# Altium PCB 2-quilter-output.PcbDoc (part 21 of 26) (continued)
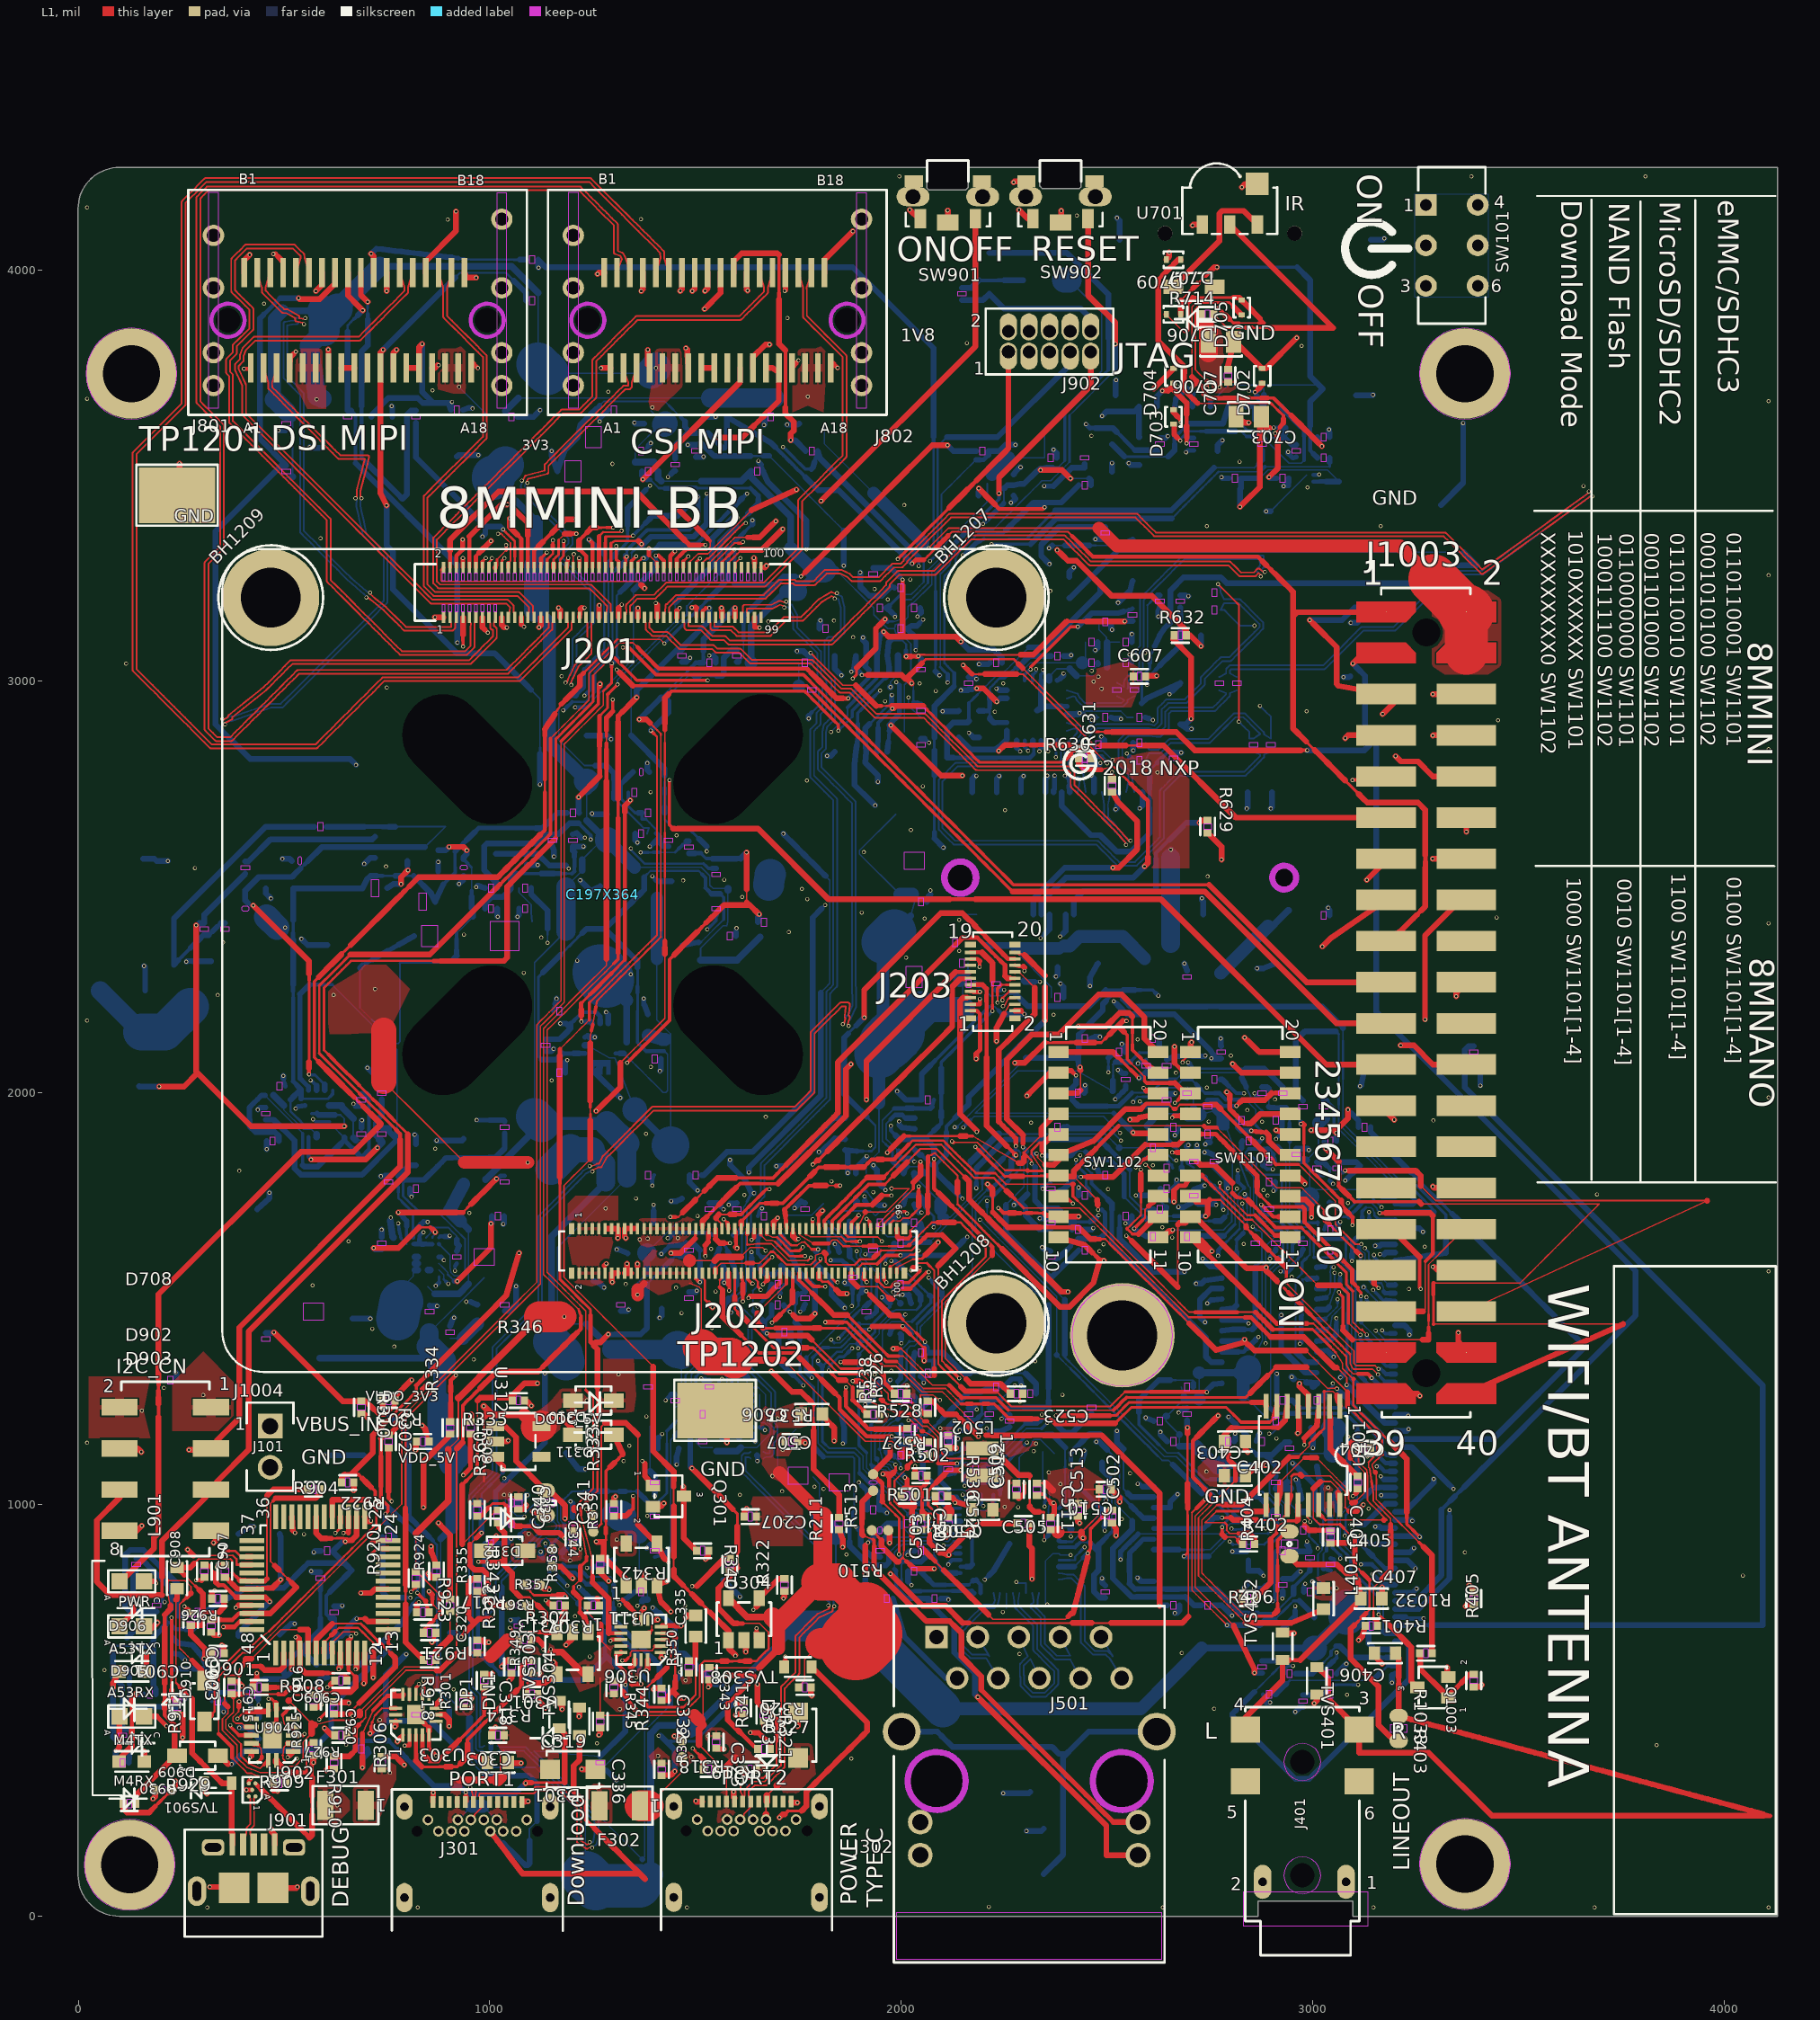
[diagram p0: L1 view]
## Nets (pads, with @x,y where several pads share a name; then routed paths per layer and width w, separated by ;. In a path a pad name is that pad's centre, name@x,y a point inside that pad or via, vN(x,y) a via of type N, cw(c..) or ccw(c..) an arc to the next point about the centre after c; other vN are vias at no path point) (continued)
  L1 w7.92: v1(1403.75,3305.52) 1410.46,3305.52
  L1 w8.94: v1(839.27,571.33) 839.27,570.95 v1@840.39,569.83
  L1 w9.96: 1410.46,3305.52 1416.86,3299.13 1423.25,3292.74 1423.25,3284.58 J201.70@1423.24,3276.42
  L6 w6.9: 1029.56,1305.76 1029.56,1321.11 1029.56,1336.47 ; 1039.85,1669.13 1050.14,1679.42
  L6 w7.92: 830.24,580.36 v1(839.27,571.33) ; 1029.56,1336.47 1029.56,1351.82 ; 1029.56,1658.85 1039.85,1669.13 ; 1050.14,1679.42 1060.42,1689.71 1070.71,1699.99 1081,1710.28 1091.28,1720.57 1101.57,1730.85 1111.86,1741.14 1111.86,1756.89 ; 1111.86,2371.2 1111.86,2386.95
  L6 w8.94: 855.22,1039.31 866.12,1050.21 877.02,1061.11 ; 1018.67,1202.76 1029.56,1213.65 1029.56,1229.01 1029.56,1244.36 1029.56,1259.71 1029.56,1275.06 1029.56,1290.41 1029.56,1305.76 ; 1029.56,1351.82 1029.56,1367.17 1029.56,1382.52 1029.56,1397.87 1029.56,1413.22 1029.56,1428.57 1029.56,1443.93 1029.56,1459.28 1029.56,1474.63 1029.56,1489.98 1029.56,1505.33 1029.56,1520.68 1029.56,1536.03 1029.56,1551.39 1029.56,1566.74 1029.56,1582.09 1029.56,1597.44 1029.56,1612.79 1029.56,1628.14 1029.56,1643.49 1029.56,1658.85 ; 1111.86,1977.41 1111.86,1993.16 1111.86,2008.91 1111.86,2024.67 1111.86,2040.42 1111.86,2056.17 1111.86,2071.92 1111.86,2087.67 1111.86,2103.42 1111.86,2119.18 1111.86,2134.93 1111.86,2150.68 1111.86,2166.43 1111.86,2182.18 1111.86,2197.93 1111.86,2213.68 1111.86,2229.44 1111.86,2245.19 1111.86,2260.94 1111.86,2276.69 1111.86,2292.44 1111.86,2308.19 1111.86,2323.95
  L6 w9.96: 1111.86,2355.45 1111.86,2371.2
  L6 w14.05: 830.24,580.36 830.24,647.6 787.89,689.95 787.89,747.37 788.87,748.34 788.87,860.65 789.85,861.63 789.85,973.94 800.74,984.83 811.64,995.73 822.53,1006.63 833.43,1017.52 844.33,1028.42 855.22,1039.31 ; 877.02,1061.11 887.91,1072 898.81,1082.9 909.7,1093.8 920.6,1104.69 931.5,1115.59 942.39,1126.48 953.29,1137.38 964.19,1148.28 975.08,1159.17 985.98,1170.07 996.87,1180.97 1007.77,1191.86 1018.67,1202.76 ; 1111.86,1756.89 1111.86,1772.64 1111.86,1788.39 1111.86,1804.15 1111.86,1819.9 1111.86,1835.65 1111.86,1851.4 1111.86,1867.15 1111.86,1882.9 1111.86,1898.65 1111.86,1914.41 1111.86,1930.16 1111.86,1945.91 1111.86,1961.66 1111.86,1977.41 ; 1111.86,2323.95 1111.86,2339.7 1111.86,2355.45 ; 1111.86,2386.95 1138.79,2413.89 1138.79,2948.03 1112.87,2973.94 1112.87,3031.63 ; 1112.89,3031.63 v1(1207.82,2936.71)
  L8 w3.5: 1232.7,2936.71 1243.27,2947.28 1253.85,2957.86 1264.43,2968.43 1275,2979.01 1285.58,2989.58 1296.15,3000.16 1306.73,3010.74 1317.3,3021.31 1327.88,3031.89 1327.88,3033.65 1338.63,3044.4 1349.37,3055.15 1349.37,3070.28 1349.37,3085.41 1349.37,3100.54 1349.37,3115.68 1349.37,3130.81 1349.37,3145.94 1349.37,3161.08 1349.37,3176.21 1349.37,3191.34 1349.37,3206.47 1349.37,3221.61
  L8 w9.96: v1(1207.82,2936.71) 1220.26,2936.71 1232.7,2936.71 ; 1403.75,3290.75 v1(1403.75,3305.52)
  L8 w14.05: 1349.37,3221.61 1403.75,3275.98 1403.75,3290.75
TCPC_NINT2: R216.1 R219.1 U306.10 | length 3127.7
  L1 w3.5: 1170.57,2105.69 1180.77,2115.89 1190.97,2126.09 1201.17,2136.29 1211.37,2146.49 1221.57,2156.69 1231.77,2166.89 1241.97,2177.09 ; 1221.81,973.37 1224.61,962.51 1227.4,951.66 1230.19,940.81 1234.11,925.59 1238.02,910.37 1241.94,895.16 1245.85,879.94 1249.77,864.72
  L1 w3.83: 1406.57,2383.27 1406.57,2397.95 1406.57,2412.64 1406.57,2427.32 1406.57,2442.01 1406.57,2456.69 1406.57,2471.38 1406.57,2486.06 1406.57,2500.75 1406.57,2515.43 1406.57,2530.12
  L1 w4.85: 1221.81,991.65 1231.84,1001.68 ; 1241.97,2218.67 1252.94,2229.64 1263.91,2240.62 1274.89,2251.59 1285.86,2262.56 1296.83,2273.53 1307.81,2284.51 1318.78,2295.48 1329.75,2306.45 1340.73,2317.43 1351.7,2328.4 1362.67,2339.37 1373.65,2350.35 1384.62,2361.32 1395.59,2372.29 1406.57,2383.27 ; 1251.89,1021.73 1261.92,1031.76 1261.92,1047.44 1261.92,1063.12 1261.92,1078.8 1261.92,1094.48 1261.92,1110.16 1261.92,1125.84 1261.92,1141.52 1261.92,1157.2 1261.92,1172.88 1261.92,1188.56 1261.92,1204.24 ; 1261.92,1251.29 1261.92,1266.97 ; 1399.08,2873 1406.58,2865.51 1406.58,2850.26 1406.58,2835.02 1406.58,2819.77 1406.58,2804.53 1406.58,2789.29 1406.58,2774.04 1406.58,2758.8 1406.58,2743.55 1406.58,2728.31 1406.58,2713.07 1406.58,2697.82 1406.58,2682.58 1406.58,2667.33 1406.58,2652.09 1406.58,2636.85 1406.58,2621.6 1406.58,2606.36 1406.58,2591.12 1406.58,2575.87 1406.58,2560.63 1406.58,2545.38 1406.58,2530.14
  L1 w5.87: 1261.92,1204.24 1261.92,1219.92 1261.92,1235.61 1261.92,1251.29
  L1 w6.9: 1170.57,1780 1170.57,1764.49 1170.57,1748.99 1170.57,1733.48 1170.57,1717.97 1170.57,1702.46 1170.57,1686.95 1170.57,1671.44 1170.57,1655.93 1170.57,1640.42 1170.57,1624.91 1170.57,1609.4 1170.57,1593.9 1170.57,1578.39 1170.57,1562.88 1170.57,1547.37 1181.22,1536.72 1191.87,1526.07 1202.52,1515.43 1213.16,1504.78 1223.81,1494.13 1234.46,1483.48 1245.11,1472.84 1245.11,1459.62 ; 1221.81,973.37 1221.81,974.87
  L1 w7.92: 1221.81,974.87 1221.81,983.26 1221.81,991.65 ; 1231.84,1001.68 1241.86,1011.7 1251.89,1021.73 ; 1241.97,2177.09 1241.97,2190.95 1241.97,2204.81 1241.97,2218.67 ; 1249.77,837.48 1249.77,851.1 ; v1(1391.59,2880.49) 1399.08,2873
  L1 w8.94: 1170.57,1780 1170.57,1795.51 ; 1249.77,823.87 1249.77,837.48 ; 1249.77,851.1 1249.77,864.72
  L1 w9.96: 1245.11,1459.62 1245.11,1446.41 1245.11,1433.19 1245.11,1419.97 1245.11,1406.76 1245.11,1393.54 ; 1253.51,1385.14 1245.11,1393.54 ; 1257.16,1393.54 1245.11,1393.54 ; 1261.92,1266.97 1261.92,1282.65 ; 1289.26,686.91 1304.12,686.91 U306.10@1318.98,686.9
  L1 w10.99: 1170.57,2090.18 1170.57,2105.69
  L1 w12.01: 1249.77,810.25 1249.77,823.87
  L1 w14.05: 1170.57,1795.51 1170.57,1811.02 1170.57,1826.53 1170.57,1842.04 1170.57,1857.55 1170.57,1873.06 1170.57,1888.57 1170.57,1904.07 1170.57,1919.58 1170.57,1935.09 1170.57,1950.6 1170.57,1966.11 1170.57,1981.62 1170.57,1997.13 1170.57,2012.64 1170.57,2028.15 1170.57,2043.66 1170.57,2059.16 1170.57,2074.67 1170.57,2090.18 ; 1249.77,810.25 1289.26,770.76 1289.26,686.91 ; 1253.51,1385.14 1261.92,1376.73 1261.92,1361.05 1261.92,1345.37 1261.92,1329.69 1261.92,1314.01 1261.92,1298.33 1261.92,1282.65 ; 1257.16,1393.54 1269.21,1393.54 v1(1288.5,1412.83)
  L8 w3.83: 1434.85,2951.74 1434.85,2965.74 1444.45,2975.34 1454.05,2984.94 1463.65,2994.54 1473.25,3004.14 1482.85,3013.74 1496.58,3013.74 ; 1524.05,3013.74 1537.78,3013.74
  L8 w4.85: 1382.6,1534.96 1392.28,1544.64 1401.95,1554.32
  L8 w5.87: 1440.66,1593.02 1450.33,1602.7 1461.65,1602.7 ; 1510.31,3013.74 1524.05,3013.74
  L8 w6.9: 1401.95,1554.32 1411.63,1563.99
  L8 w7.92: 1537.78,3013.74 1551.51,3013.74
  L8 w13.03: v1(1288.5,1412.83) 1304.18,1412.83
  L8 w14.05: 1304.18,1412.83 1319.86,1412.83 1335.55,1412.83 1351.23,1412.83 1366.91,1412.83 1382.6,1428.51 1382.6,1534.96 ; v1(1391.59,2880.49) 1403.29,2892.19 1434.85,2923.75 1434.85,2937.75 1434.85,2951.74 ; 1411.63,1563.99 1421.31,1573.67 1430.98,1583.34 1440.66,1593.02 ; 1461.65,1602.7 1472.97,1602.7 R219.1@1484.31,1602.68 ; 1496.58,3013.74 1510.31,3013.74 ; 1551.51,3013.74 1565.24,3013.74 1569.28,3017.77 1569.28,3057.53 1588.29,3076.54 R216.1@1600.43,3076.54
TEST_MODE: J201.56 R1110.1 SW1101.4 | length 2439.1
  L1 w7.92: v1(1307.51,3328.54) 1307.51,3320.39 1307.51,3312.24 1307.51,3304.13 1307.51,3296.02 1313.01,3290.52
  L1 w9.96: J201.56@1313,3276.42 1313.01,3290.52 ; v1(2659.06,1939.26) 2663.58,1943.78
  L1 w12.01: 2663.58,1943.78 2678.62,1943.78
  L1 w14.05: 2678.62,1943.78 SW1101.4@2703.63,1948.79
  L3 w3.5: 1621.32,2979.68 1636.97,2979.68 1652.62,2979.68 1668.27,2979.68 1683.92,2979.68 1699.58,2979.68 1715.23,2979.68 1730.88,2979.68 1746.53,2979.68 1762.18,2979.68 1773.21,2968.64 1784.25,2957.6 1795.29,2946.57 1806.32,2935.53 1817.36,2924.5 1828.4,2913.46 1839.43,2902.42 1850.47,2891.39 1861.5,2880.35 1872.54,2869.32 1883.58,2858.28 1894.61,2847.24 1905.65,2836.21 1916.68,2825.17 1927.72,2814.14 1938.76,2803.1 1949.79,2792.06 1960.83,2781.03 1971.86,2769.99 1982.9,2758.96 1993.94,2747.92 2004.97,2736.88 2016.01,2725.85 2027.05,2714.81 2038.08,2703.77 2049.12,2692.74 2060.15,2681.7 2071.19,2670.67 2082.23,2659.63 2093.26,2648.59 2104.3,2637.56 2115.33,2626.52 2126.37,2615.49 2137.41,2604.45 2148.44,2593.41
  L3 w6.9: 1307.51,3180.53 1307.51,3195.34 ; 2148.44,2593.41 2163.18,2593.41 2177.91,2593.41
  L3 w7.92: 1307.51,3313.74 v1(1307.51,3328.54)
  L3 w8.94: 2177.91,2593.41 2192.64,2593.41 2203.47,2582.59 ; 2387.48,2398.58 2398.3,2387.75 2409.13,2376.93
  L3 w9.96: 1307.51,3165.73 1307.51,3180.53 ; 1605.67,2979.68 1621.32,2979.68 ; 2203.47,2582.59 2214.29,2571.76 2225.11,2560.94 2235.94,2550.12 2246.76,2539.29 2257.59,2528.47 2268.41,2517.64 2279.24,2506.82 2290.06,2495.99 2300.88,2485.17 2311.71,2474.35 2322.53,2463.52 2333.36,2452.7 2344.18,2441.87 2355.01,2431.05 2365.83,2420.22 2376.65,2409.4 2387.48,2398.58 ; 2409.13,2376.93 2419.95,2366.1 2430.78,2355.28 2441.6,2344.45 2452.43,2333.63 2463.25,2322.81 2474.07,2311.98 2484.9,2301.16 2495.72,2290.33 2506.55,2279.51 2517.37,2268.68 2517.37,2253.28
  L3 w13.03: 1307.51,3195.34 1307.51,3210.14
  L3 w14.05: 1307.51,3165.73 1307.51,3150.93 1307.51,3136.13 1463.96,2979.68 1464.81,2979.68 1480.46,2979.68 1496.11,2979.68 1511.76,2979.68 1527.41,2979.68 1543.07,2979.68 1558.72,2979.68 1574.37,2979.68 1590.02,2979.68 1605.67,2979.68 ; 1307.51,3210.14 1307.51,3224.94 1307.51,3239.74 1307.51,3254.54 1307.51,3269.34 1307.51,3284.14 1307.51,3298.94 1307.51,3313.74 ; v1(2517.37,2222.45) 2517.37,2237.87 2517.37,2253.28
  L6 w7.92: 2724.89,2013.6 2735.87,2024.57 2745,2033.71
  L6 w9.96: 2670.03,1958.74 2681.01,1969.71
  L6 w13.03: 2681.01,1969.71 2691.98,1980.68 ; 2754.14,2070.17 v1(2754.14,2083.83)
  L6 w14.05: v1(2659.06,1939.26) 2659.75,1939.95 2659.75,1948.45 2670.03,1958.74 ; 2691.98,1980.68 2702.95,1991.66 2713.92,2002.63 2724.89,2013.6 ; 2745,2033.71 2754.14,2042.85 2754.14,2056.51 2754.14,2070.17
  L8 w9.96: v1(2517.37,2222.45) 2523.01,2216.82 ; v1(2754.14,2083.83) v1@2755.56,2082.4
  L8 w13.03: 2752.08,2103.21 2757.9,2093.66
  L8 w14.05: 2523.01,2216.82 2528.64,2211.19 2548.96,2190.87 2664.42,2190.87 2752.08,2103.21 ; v1@2755.56,2082.4 2774.42,2082.4 R1110.1@2778.21,2084.13 2763.71,2084.11 2757.9,2093.66
UART2_RXD: J201.36 R910.2 | length 3613.5
  L1 w3.5: 698.75,481.43 698.75,490.1 698.75,498.76 709.59,509.6 720.42,520.44 731.26,531.27 742.1,542.11 752.93,552.95 763.77,563.78 774.61,574.62 785.45,585.46 796.28,596.29 ; 919.52,636.96 919.52,645.01 919.52,660.32 919.52,675.64 919.52,690.95 919.52,706.27 919.52,721.59 919.52,736.9 919.52,752.22 919.52,767.53 919.52,782.85 919.52,798.17 919.52,813.48 919.52,828.8 919.52,844.11 919.52,859.43 919.52,874.75 919.52,890.06 919.52,905.38 919.52,920.69 919.52,936.01 919.52,951.33 919.52,966.64 919.52,981.96 919.52,997.27 919.52,1012.59 919.52,1027.91 919.52,1043.22 919.52,1058.54 919.52,1073.85 919.52,1089.17 919.52,1104.49 919.52,1119.8 919.52,1135.12 ; 1131.6,2156.47 1131.09,2155.96 1131.09,2140.45 1131.09,2124.94 1131.09,2109.43 1131.09,2093.92 1131.09,2078.41 1131.09,2062.9 1131.09,2047.39 1131.09,2039.64 1131.08,2027.87 1131.08,2016.11 1131.08,2000.33 1131.08,1984.56 1131.08,1968.78 1131.08,1953.01 1131.08,1937.24 1131.08,1921.46 1131.08,1905.69 1131.08,1889.91 1131.08,1874.14 1131.08,1858.36 1131.08,1842.59 1131.08,1826.81 1131.08,1811.04 1131.08,1795.27 1131.08,1779.49 1131.08,1763.72 1131.08,1747.94 1131.08,1732.17 1131.08,1716.39 1131.08,1700.62 1131.08,1684.85 1131.08,1669.07 1131.08,1653.3 1131.08,1637.52 1131.08,1621.75 1131.08,1605.97 1131.08,1590.2 1131.08,1574.42 1131.08,1558.65 1141.05,1548.69 1151.01,1538.72 1160.98,1528.76 1170.94,1518.79 1180.9,1508.83 1190.87,1498.87 1200.83,1488.9 1210.8,1478.94 1215.91,1473.83 ; 1167.42,3343.66 1174.93,3351.17 1182.45,3358.68
  L1 w3.83: 690.2,472.88 698.75,481.43 ; 796.28,596.29 811.26,596.29 826.23,596.29 841.21,596.29 856.18,596.29 871.16,596.29 ; 1131.6,2156.47 1131.6,2157.08 1142.48,2167.96 1153.35,2178.83 1164.23,2189.71 1175.1,2200.58 1185.98,2211.46 1196.85,2222.33 1207.73,2233.21 1218.6,2244.08 1229.48,2254.96 1240.35,2265.83 1251.23,2276.71 1262.1,2287.58 1272.98,2298.46 1283.85,2309.34 1283.85,2324.78 ; 1283.85,2849.84 1283.85,2865.28
  L1 w5.87: 681.66,464.34 690.2,472.88 ; J201.36@1155.53,3286.32 1155.53,3296.22 1161.48,3302.16 1167.42,3308.11 1167.42,3319.96 1167.42,3331.81 1167.42,3343.66 ; 1215.91,1473.83 1218.84,1465.37 1221.77,1456.9
  L1 w6.9: 1283.85,2865.28 1283.85,2880.73
  L1 w7.92: 1299.42,2927.18 1299.42,2940.58 v1(1299.42,2955.58)
  L1 w8.94: 934.57,1150.17 934.57,1165.15 934.57,1180.12 934.57,1195.1 934.57,1210.08 934.57,1225.06 934.57,1240.04 945.03,1250.5 955.49,1260.96 965.95,1271.42 976.41,1281.88 ; 1221.77,1452.9 1221.77,1456.9 ; 1283.85,2757.18 1283.85,2772.63 1283.85,2788.07
  L1 w9.96: 1118.76,1323.56 1129.06,1333.86 ; 1211.47,1416.27 1221.77,1426.57 1221.77,1439.73 1221.77,1452.9 ; 1283.85,2834.4 1283.85,2849.84
  L1 w10.99: 1197,3358.68 v1(1210.95,3358.68)
  L1 w12.01: 665.84,394.36 673.11,401.64 673.11,415.18 673.11,428.72 673.11,442.26 673.11,455.79 681.66,464.34 ; 1283.85,2788.07 1283.85,2803.51 1283.85,2818.96 1283.85,2834.4 ; 1283.85,2880.73 1283.85,2896.17 1283.85,2911.61 1291.64,2919.4 1299.42,2927.18
  L1 w13.03: 1117.47,1322.27 1118.76,1323.56 ; 1129.06,1333.86 1139.36,1344.16 ; J201.36@1155.52,3276.42 J201.36@1155.53,3286.32
  L1 w14.05: R910.2@621.7,387.09 658.56,387.09 665.84,394.36 ; 871.16,596.29 878.86,596.29 919.52,636.96 ; 919.52,1135.12 934.57,1150.17 ; 976.41,1281.88 986.87,1292.34 997.33,1302.8 1016.8,1322.27 1117.47,1322.27 ; 1139.36,1344.16 1149.66,1354.46 1159.96,1364.76 1170.27,1375.06 1180.57,1385.36 1190.87,1395.66 1201.17,1405.96 1211.47,1416.27 ; 1182.45,3358.68 1197,3358.68 ; 1283.85,2324.78 1283.85,2340.22 1283.85,2355.66 1283.85,2371.11 1283.85,2386.55 1283.85,2401.99 1283.85,2417.44 1283.85,2432.88 1283.85,2448.32 1283.85,2463.77 1283.85,2479.21 1283.85,2494.65 1283.85,2510.09 1283.85,2525.54 1283.85,2540.98 1283.85,2556.42 1283.85,2571.87 1283.85,2587.31 1283.85,2602.75 1283.85,2618.2 1283.85,2633.64 1283.85,2649.08 1283.85,2664.53 1283.85,2679.97 1283.85,2695.41 1283.85,2710.85 1283.85,2726.3 1283.85,2741.74 1283.85,2757.18
  L3 w7.92: 1210.95,3344.03 v1(1210.95,3358.68)
  L3 w8.94: 1261.41,3021.63 1270.92,3012.13 1280.42,3002.62 1289.92,2993.12 1299.42,2983.62 1299.42,2969.6
  L3 w9.96: 1251.91,3046.27 1251.91,3031.13 1261.41,3021.63 ; 1251.91,3167.34 1251.91,3182.48 1251.91,3197.61
  L3 w14.05: 1210.95,3344.03 1251.91,3303.07 1251.91,3273.28 1251.91,3258.15 1251.91,3243.02 1251.91,3227.88 1251.91,3212.75 1251.91,3197.61 ; 1251.91,3046.27 1251.91,3061.4 1251.91,3076.54 1251.91,3091.67 1251.91,3106.8 1251.91,3121.94 1251.91,3137.07 1251.91,3152.21 1251.91,3167.34 ; v1(1299.42,2955.58) 1299.42,2969.6
UART2_TXD: J201.38 R911.2 | length 3331.7
  L1 w5.87: 226.59,562.77 226.59,577.42 ; J201.38@1171.28,3286.3 1171.28,3296.18 1179.71,3304.61 1179.71,3319.8
  L1 w6.9: 226.59,548.12 226.59,562.77 ; J201.38@1171.27,3276.42 J201.38@1171.28,3286.3
  L1 w7.92: 1179.71,3319.8 1179.71,3330.27 v1(1179.71,3340.74)
  L1 w8.94: 226.59,577.42 226.59,592.06 226.59,606.71 226.59,621.36 226.59,636 226.59,650.65 226.59,665.3 226.59,679.94 226.59,694.59 226.59,709.24 v1(226.59,724.4)
  L1 w13.03: 226.59,548.12 226.59,533.48 R911.2@233.37,526.69
  L1 w14.05: R911.2@233.37,526.69 R911.2@240.16,519.9
  L3 w7.92: v1(226.59,724.4) 226.59,738.83
  L3 w8.94: 411.61,2439.14 411.61,2454.84 411.61,2470.54
  L3 w9.96: 1138.27,3348.31 1147.5,3357.55 1162.9,3357.55 1171.3,3349.14
  L3 w10.99: 226.59,796.59 226.59,811.02 226.59,825.46 237.47,836.35 248.36,847.23 259.24,858.11 270.12,869 281.01,879.88 ; 313.66,912.53 324.54,923.42 ; 411.61,2235.04 411.61,2250.74 411.61,2266.44 411.61,2282.14 411.61,2297.84 411.61,2313.54 411.61,2329.24 411.61,2344.94 411.61,2360.64 411.61,2376.34
  L3 w12.01: 281.01,879.88 291.89,890.76
  L3 w13.03: 302.78,901.65 313.66,912.53 ; 411.61,2376.34 411.61,2392.04 ; 1129.03,3339.08 1138.27,3348.31
  L3 w14.05: 226.59,738.83 226.59,753.27 226.59,767.71 226.59,782.15 226.59,796.59 ; 291.89,890.76 302.78,901.65 ; 324.54,923.42 335.43,934.3 346.31,945.18 357.19,956.07 368.08,966.95 378.96,977.83 389.84,988.72 400.73,999.6 411.61,1010.49 411.61,1026.18 411.61,1041.88 411.61,1057.58 411.61,1073.28 411.61,1088.98 411.61,1104.68 411.61,1120.38 411.61,1136.08 411.61,1151.78 411.61,1167.48 411.61,1183.18 411.61,1198.88 411.61,1214.58 411.61,1230.28 411.61,1245.98 411.61,1261.68 411.61,1277.38 411.61,1293.08 411.61,1308.78 411.61,1324.47 411.61,1340.17 411.61,1355.87 411.61,1371.57 411.61,1387.27 411.61,1402.97 411.61,1418.67 411.61,1434.37 411.61,1450.07 411.61,1465.77 411.61,1481.47 411.61,1497.17 411.61,1512.87 411.61,1528.57 411.61,1544.27 411.61,1559.97 411.61,1575.67 411.61,1591.37 411.61,1607.07 411.61,1622.76 411.61,1638.46 411.61,1654.16 411.61,1669.86 411.61,1685.56 411.61,1701.26 411.61,1716.96 411.61,1732.66 411.61,1748.36 411.61,1764.06 411.61,1779.76 411.61,1795.46 411.61,1811.16 411.61,1826.86 411.61,1842.56 411.61,1858.26 411.61,1873.96 411.61,1889.66 411.61,1905.36 411.61,1921.05 411.61,1936.75 411.61,1952.45 411.61,1968.15 411.61,1983.85 411.61,1999.55 411.61,2015.25 411.61,2030.95 411.61,2046.65 411.61,2062.35 411.61,2078.05 411.61,2093.75 411.61,2109.45 411.61,2125.15 411.61,2140.85 411.61,2156.55 411.61,2172.25 411.61,2187.95 411.61,2203.65 411.61,2219.34 411.61,2235.04 ; 411.61,2392.04 411.61,2407.74 411.61,2423.44 411.61,2439.14 ; 411.61,2470.54 411.61,2486.24 411.61,2501.94 411.61,2517.63 411.61,2533.33 411.61,2549.03 411.61,2564.73 411.61,2580.43 411.61,2596.13 411.61,2615.86 1110.56,3314.82 1110.56,3320.61 1119.8,3329.85 1129.03,3339.08 ; 1171.3,3349.14 v1(1179.71,3340.74)
UART3_CTS: J201.10 J1003.7 | length 2605.7
  L1 w9.96: J201.10@950.8,3276.42 950.81,3291.57 950.81,3306.72 950.81,3321.88 950.81,3337.03 950.81,3352.18
  L1 w14.05: 950.81,3352.18 1028.04,3429.41 v1(1042.82,3429.41) ; v1(3079.38,2861.99) 3086.17,2868.78 J1003.7@3179.19,2868.79
  L6 w3.5: 1226.15,3456.21 1241.15,3456.21 1256.16,3456.21 1271.16,3456.21 1286.16,3456.21 1301.16,3456.21 1316.16,3456.21 1331.17,3456.21 1346.17,3456.21 1361.17,3456.21 1376.17,3456.21 1391.17,3456.21 ; 1391.18,3456.21 1405.89,3453.85 ; 1479.47,3442.08 1494.19,3439.72 1508.91,3437.37 1524.3,3437.37 1539.69,3437.37 1555.09,3437.37 1570.48,3437.37 1585.87,3437.37 1601.27,3437.37 1616.66,3437.37 1632.06,3437.37 1647.45,3437.37 1662.84,3437.37 1678.24,3437.37 1693.63,3437.37 1709.02,3437.37 1724.42,3437.37
  L6 w3.83: 1193.08,3460.42 1207.51,3460.42 1221.94,3460.42 1226.15,3456.21
  L6 w6.9: 1405.89,3453.85 1420.61,3451.5
  L6 w7.92: v1(1042.82,3429.41) v1@1046.62,3429.41 ; 1464.76,3444.43 1479.47,3442.08 ; 1739.25,3452.2 1754.57,3452.2 1769.89,3452.2 1785.21,3452.2 1800.53,3452.2 1815.85,3452.2 1831.17,3452.2 1846.49,3452.2 1861.81,3452.2 1877.13,3452.2 1892.45,3452.2 1907.77,3452.2 1923.09,3452.2 1938.41,3452.2 1953.73,3452.2 1969.05,3452.2 1984.37,3452.2 1999.69,3452.2 2015.01,3452.2 2030.33,3452.2 2045.64,3452.2 2060.96,3452.2 2076.28,3452.2 2091.6,3452.2 2106.92,3452.2 2122.24,3452.2 2137.56,3452.2 2152.88,3452.2
  L6 w8.94: 2152.88,3452.2 2162.22,3442.86 2171.56,3433.52 2180.9,3424.18 2190.24,3414.85 2199.57,3405.51 2208.91,3396.17 2224.2,3396.17 2239.48,3396.17 2254.77,3396.17 2270.05,3396.17 2285.34,3396.17 2300.62,3396.17 2315.91,3396.17 2331.2,3396.17 2346.48,3396.17 2361.77,3396.17 2377.05,3396.17 2392.34,3396.17 2407.62,3396.17 2422.91,3396.17 2438.19,3396.17 2453.48,3396.17 2468.77,3396.17 2484.05,3396.17 2499.34,3396.17 2514.62,3396.17 2529.91,3396.17 2545.19,3396.17 2556.32,3385.04
  L6 w10.99: 1178.65,3460.42 1193.08,3460.42
  L6 w12.01: 1420.61,3451.5 1435.32,3449.14 ; 1724.42,3437.37 1731.83,3444.78 1739.25,3452.2
  L6 w14.05: v1@1046.62,3429.41 1077.63,3460.42 1092.06,3460.42 1106.49,3460.42 1120.92,3460.42 1135.35,3460.42 1149.79,3460.42 1164.22,3460.42 1178.65,3460.42 ; 1435.32,3449.14 1450.04,3446.79 1464.76,3444.43 ; 2556.32,3385.04 2567.45,3373.91 2578.58,3362.78 2589.71,3351.66 2600.84,3340.53 2611.97,3329.4 2623.1,3318.27 2634.22,3307.14 2645.35,3296.01 2656.48,3284.88 2667.61,3273.75 2678.74,3262.63 2689.87,3251.5 2701,3240.37 2712.13,3229.24 2723.25,3218.11 2734.38,3206.98 2745.51,3195.85 2756.64,3184.72 2767.77,3173.6 2778.9,3162.47 2790.03,3151.34 2801.16,3140.21 2812.29,3129.08 2823.41,3117.95 2834.54,3106.82 2845.67,3095.69 2856.8,3084.57 2867.93,3073.44 2879.06,3062.31 2890.19,3051.18 2901.32,3040.05 2912.44,3028.92 2923.57,3017.79 2934.7,3006.66 2945.83,2995.53 2956.96,2984.41 2968.09,2973.28 2979.22,2962.15 2990.35,2951.02 3001.47,2939.89 3012.6,2928.76 3023.73,2917.63 3034.86,2906.5 3045.99,2895.38 3057.12,2884.25 3068.25,2873.12 v1(3079.38,2861.99)
UART3_RTS: J201.2 J1003.11 | length 2570.7
  L1 w3.5: 881.55,3270.16 881.55,3257.11 881.55,3244.38 882.87,3243.07 897.95,3243.07 913.35,3243.07 928.75,3243.07 944.14,3243.07 959.54,3243.07 974.94,3243.07 990.33,3243.07 1005.73,3243.07 1021.13,3243.07 1036.52,3243.07 1051.92,3243.07 1067.32,3243.07 1082.71,3243.07 1098.11,3243.07 1113.51,3243.07 1128.9,3243.07 1144.3,3243.07 1159.7,3243.07 1175.09,3243.07 1190.49,3243.07 1205.89,3243.07 1221.28,3243.07 1236.68,3243.07 1252.08,3243.07 1267.47,3243.07 1282.87,3243.07 1298.27,3243.07 1313.66,3243.07 1329.06,3243.07 1344.46,3243.07 1359.85,3243.07 1368.4,3234.52
  L1 w3.83: 2437.28,2876.62 2448.11,2865.8 ; 2458.93,2854.97 2469.75,2844.15
  L1 w4.85: 2172.87,3017.33 2188.33,3017.33 ; 2281.11,3017.33 2296.57,3017.33 2307.39,3006.51 2318.22,2995.68 2329.04,2984.86 2339.87,2974.03 2350.69,2963.21 2361.51,2952.39 2372.34,2941.56 2383.16,2930.74 2393.99,2919.91 2404.81,2909.09 2415.63,2898.27 2426.46,2887.44 2437.28,2876.62
  L1 w5.87: 881.55,3270.16 J201.2@887.8,3276.42 ; 2448.11,2865.8 2458.93,2854.97 ; 2469.75,2844.15 2485.07,2844.15 ; 2546.36,2844.15 2561.68,2844.15 2577,2844.15
  L1 w6.9: 2188.33,3017.33 2203.79,3017.33
  L1 w12.01: v1(2150.81,3039.39) 2161.84,3028.36 2172.87,3017.33
  L1 w14.05: 1368.4,3234.52 v1(1376.92,3226) ; 2203.79,3017.33 2219.26,3017.33 2234.72,3017.33 2250.18,3017.33 2265.64,3017.33 2281.11,3017.33 ; 2485.07,2844.15 2500.39,2844.15 2515.72,2844.15 2531.04,2844.15 2546.36,2844.15 ; 2577,2844.15 2592.32,2844.15 2607.64,2844.15 2622.96,2844.15 2638.28,2844.15 2813.65,2668.78 J1003.11@3179.19,2668.79
  L6 w3.83: 1838.3,3226 1853.68,3226
  L6 w5.87: 1853.68,3226 1869.06,3226 1879.13,3215.92 1889.21,3205.84 1899.29,3195.77 1909.37,3185.69 1919.44,3175.61 1929.52,3165.53 1939.6,3155.46 ; 1949.68,3145.38 1959.75,3135.3
  L6 w6.9: 1822.92,3226 1838.3,3226 ; 1939.6,3155.46 1949.68,3145.38
  L6 w10.99: 1959.75,3135.3 1972.67,3135.3
  L6 w13.03: 2041.13,3092.68 2051.78,3082.02 ; 2083.75,3050.05 2094.41,3039.39
  L6 w14.05: v1(1376.92,3226) 1392.3,3226 1407.68,3226 1423.06,3226 1438.44,3226 1453.82,3226 1469.2,3226 1484.58,3226 1499.96,3226 1515.34,3226 1530.71,3226 1546.09,3226 1561.47,3226 1576.85,3226 1592.23,3226 1607.61,3226 1622.99,3226 1638.37,3226 1653.75,3226 1669.13,3226 1684.51,3226 1699.89,3226 1715.26,3226 1730.64,3226 1746.02,3226 1761.4,3226 1776.78,3226 1792.16,3226 1807.54,3226 1822.92,3226 ; 1972.67,3135.3 1985.59,3135.3 1998.5,3135.3 2009.16,3124.64 2019.82,3113.99 2030.47,3103.33 2041.13,3092.68 ; 2051.78,3082.02 2062.44,3071.36 2073.1,3060.71 2083.75,3050.05 ; 2094.42,3039.39 v1(2150.81,3039.39)
UART3_RXD: J201.4 J1003.10 | length 2922.4
  L1 w8.94: 1511.49,3331.7 v1(1524.61,3331.7)
  L1 w9.96: J201.4@903.55,3276.42 903.56,3289.86 903.56,3303.3 903.56,3316.74
  L1 w12.01: 1474.45,3342.52 1485.27,3331.7 1498.38,3331.7 1511.49,3331.7
  L1 w14.05: 903.56,3316.74 903.56,3330.19 903.56,3343.63 1021.47,3461.54 1188.45,3461.54 1355.43,3461.54 1366.25,3450.72 1377.07,3439.9 1387.89,3429.08 1398.71,3418.26 1409.53,3407.44 1420.35,3396.62 1431.17,3385.8 1441.99,3374.98 1452.81,3364.16 1463.63,3353.34 1474.45,3342.52 ; v1(3202,2818.22) 3210.14,2810.08 3214.99,2805.23 3256.44,2805.23 3292.89,2768.78 J1003.10@3374.07,2768.79
  L6 w3.83: 1587.26,3331.7 1602.93,3331.7
  L6 w4.85: 1831.11,3293.34 1839.64,3284.8 1850.16,3274.29 1860.68,3263.77 1871.19,3253.25 1881.71,3242.74 1892.22,3232.22 1902.74,3221.7 1913.26,3211.19 1923.77,3200.67 1934.29,3190.16 1944.81,3179.64 1958.17,3179.64 ; 1984.9,3179.64 1998.27,3179.64
  L6 w6.9: 1958.17,3179.64 1971.54,3179.64 1984.9,3179.64
  L6 w7.92: v1(1524.61,3331.7) 1540.27,3331.7 ; 1602.93,3331.7 1610.63,3324 ; 1998.27,3179.64 2008.78,3169.12 2019.3,3158.61 2029.81,3148.09 2040.33,3137.58 2050.84,3127.06 2061.36,3116.55 2071.87,3106.03 2082.39,3095.52 2092.9,3085 2103.42,3074.49 2118.62,3074.49 ; 2164.21,3074.49 2179.41,3074.49 2194.61,3074.49 2209.81,3074.49
  L6 w8.94: 1571.6,3331.7 1587.26,3331.7 ; 2118.62,3074.49 2133.81,3074.49 2149.01,3074.49 2164.21,3074.49
  L6 w9.96: 1822.57,3301.88 1831.11,3293.34
  L6 w10.99: 2270.6,3074.49 2285.8,3074.49
  L6 w12.01: 1610.63,3324 1614.48,3320.15 ; 2209.81,3074.49 2225,3074.49 2240.2,3074.49 2255.4,3074.49 2270.6,3074.49 ; 2532.48,3063.54 2543.23,3074.29 2553.99,3085.05 ; 2564.74,3095.8 2575.5,3106.56
  L6 w14.05: 1540.27,3331.7 1555.94,3331.7 1571.6,3331.7 ; 1614.48,3320.15 1655.33,3320.15 1673.6,3301.88 1822.57,3301.88 ; 2285.8,3074.49 2287.49,3072.8 2321.97,3072.8 2347.23,3047.54 2516.48,3047.54 2521.72,3052.78 2532.48,3063.54 ; 2553.99,3085.05 2564.74,3095.8 ; 2575.5,3106.56 2736.28,3106.56 3024.61,2818.22 v1(3202,2818.22)
UART3_TXD: J201.6 J1003.8 | length 2762.9
  L1 w9.96: J201.6@919.3,3276.42 919.31,3290.86 919.31,3305.3 926.75,3312.74 934.18,3320.18
  L1 w12.01: 934.18,3320.18 934.18,3332.34 v1(934.18,3344.49)
  L1 w14.05: v1(3292.68,2867.78) 3293.68,2868.78 J1003.8@3374.07,2868.79
  L3 w3.5: 1565.31,3405.95 1574.63,3396.63 1583.94,3387.31 1593.26,3377.99 1602.58,3368.67 1611.91,3359.35 1627.48,3359.35 1643.04,3359.35 1658.61,3359.35 1674.18,3359.35 1689.75,3359.35 1705.31,3359.35 1720.88,3359.35 1736.45,3359.35 1752.01,3359.35 1767.58,3359.35 1783.15,3359.35 1798.71,3359.35 1814.28,3359.35 1829.85,3359.35 1845.42,3359.35 1860.98,3359.35 1876.55,3359.35 1892.12,3359.35 1907.68,3359.35 1923.25,3359.35 1938.82,3359.35 1954.38,3359.35 1969.95,3359.35 1985.52,3359.35 2001.08,3359.35 2016.65,3359.35 2032.22,3359.35 2047.79,3359.35 2063.35,3359.35 2078.92,3359.35 2094.49,3359.35 2110.05,3359.35 2125.62,3359.35 2141.19,3359.35 2156.75,3359.35 2172.32,3359.35 2187.89,3359.35 2203.46,3359.35 2219.02,3359.35 2234.59,3359.35 2250.16,3359.35 2265.72,3359.35 2281.29,3359.35 2296.86,3359.35 2312.42,3359.35 2327.99,3359.35 2343.56,3359.35 2359.12,3359.35 2374.69,3359.35 2390.26,3359.35 2405.83,3359.35 2421.39,3359.35 2436.96,3359.35 2452.53,3359.35 2468.09,3359.35 2483.66,3359.35 2499.23,3359.35 2514.79,3359.35 2530.36,3359.35 2545.93,3359.35 2561.5,3359.35 2577.06,3359.35 2592.63,3359.35 2608.2,3359.35 2623.76,3359.35 2639.33,3359.35 2654.9,3359.35 2670.46,3359.35
  L3 w5.87: 1202.8,3405.95 1218.56,3405.95 ; 1454.98,3405.95 1470.74,3405.95 1486.5,3405.95 1502.26,3405.95 1518.02,3405.95 1533.78,3405.95 1549.54,3405.95 1565.31,3405.95
  L3 w6.9: 1028.46,3382.11 1042.8,3382.11 ; 1439.22,3405.95 1454.98,3405.95
  L3 w7.92: 1014.12,3382.11 1028.46,3382.11 ; 1042.8,3382.11 1057.14,3382.11
  L3 w8.94: 1187.03,3405.95 1202.8,3405.95
  L3 w9.96: 1218.56,3405.95 1234.32,3405.95 1250.08,3405.95 1265.84,3405.95 1281.6,3405.95 1297.36,3405.95 1313.12,3405.95 1328.89,3405.95 1344.65,3405.95 1360.41,3405.95 1376.17,3405.95 1391.93,3405.95 1407.69,3405.95 1423.45,3405.95 1439.22,3405.95
  L3 w13.03: 1057.14,3382.11 1071.47,3382.11
  L3 w14.05: v1(934.18,3344.49) 947.83,3344.49 985.45,3382.11 999.79,3382.11 1014.12,3382.11 ; 1071.47,3382.11 1085.81,3382.11 1100.15,3382.11 1123.99,3405.95 1139.75,3405.95 1155.51,3405.95 1171.27,3405.95 1187.03,3405.95 ; 2670.47,3359.36 3037.59,2992.24 3168.22,2992.24 v1(3292.68,2867.78)